# KiCad board nevb_mtr1_c_1.kicad_pcb
title: Motor Controller Board NEVB-MTR1-C-1; date: 2025-04-25; rev: 01; note: Contact: https://www.nexperia.com/support; note: Designed for: Public Release; note: Orderable: NEVB-MTR1-KIT1
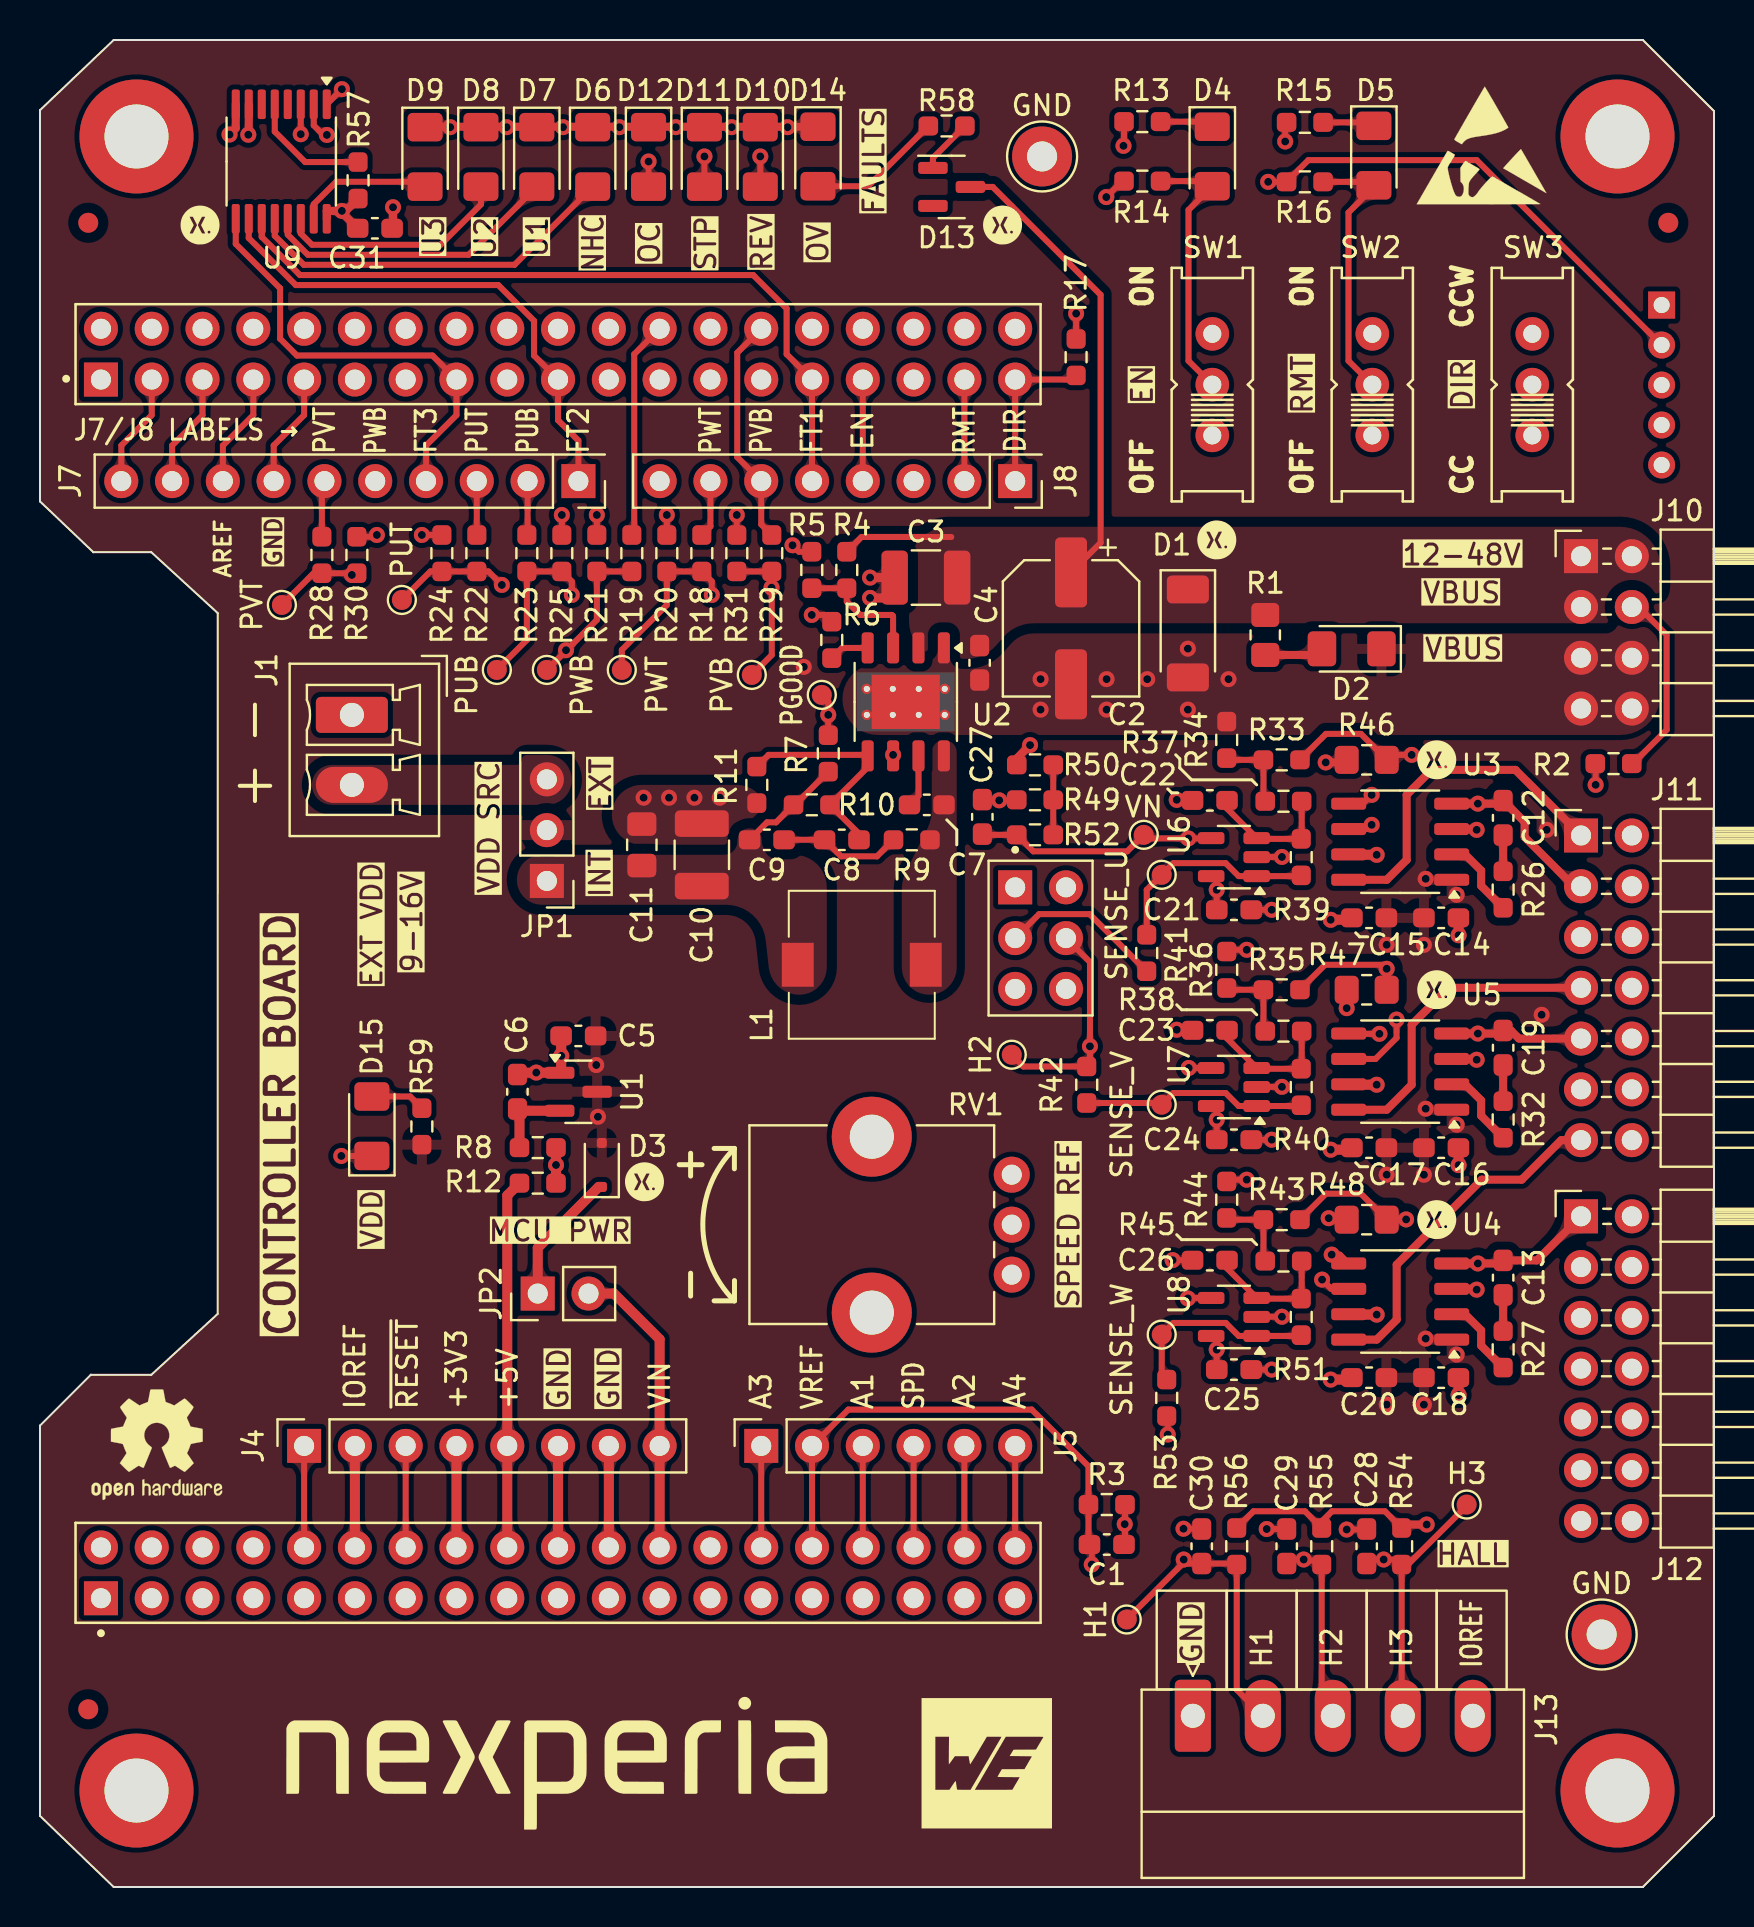
[diagram p0: board, top side]
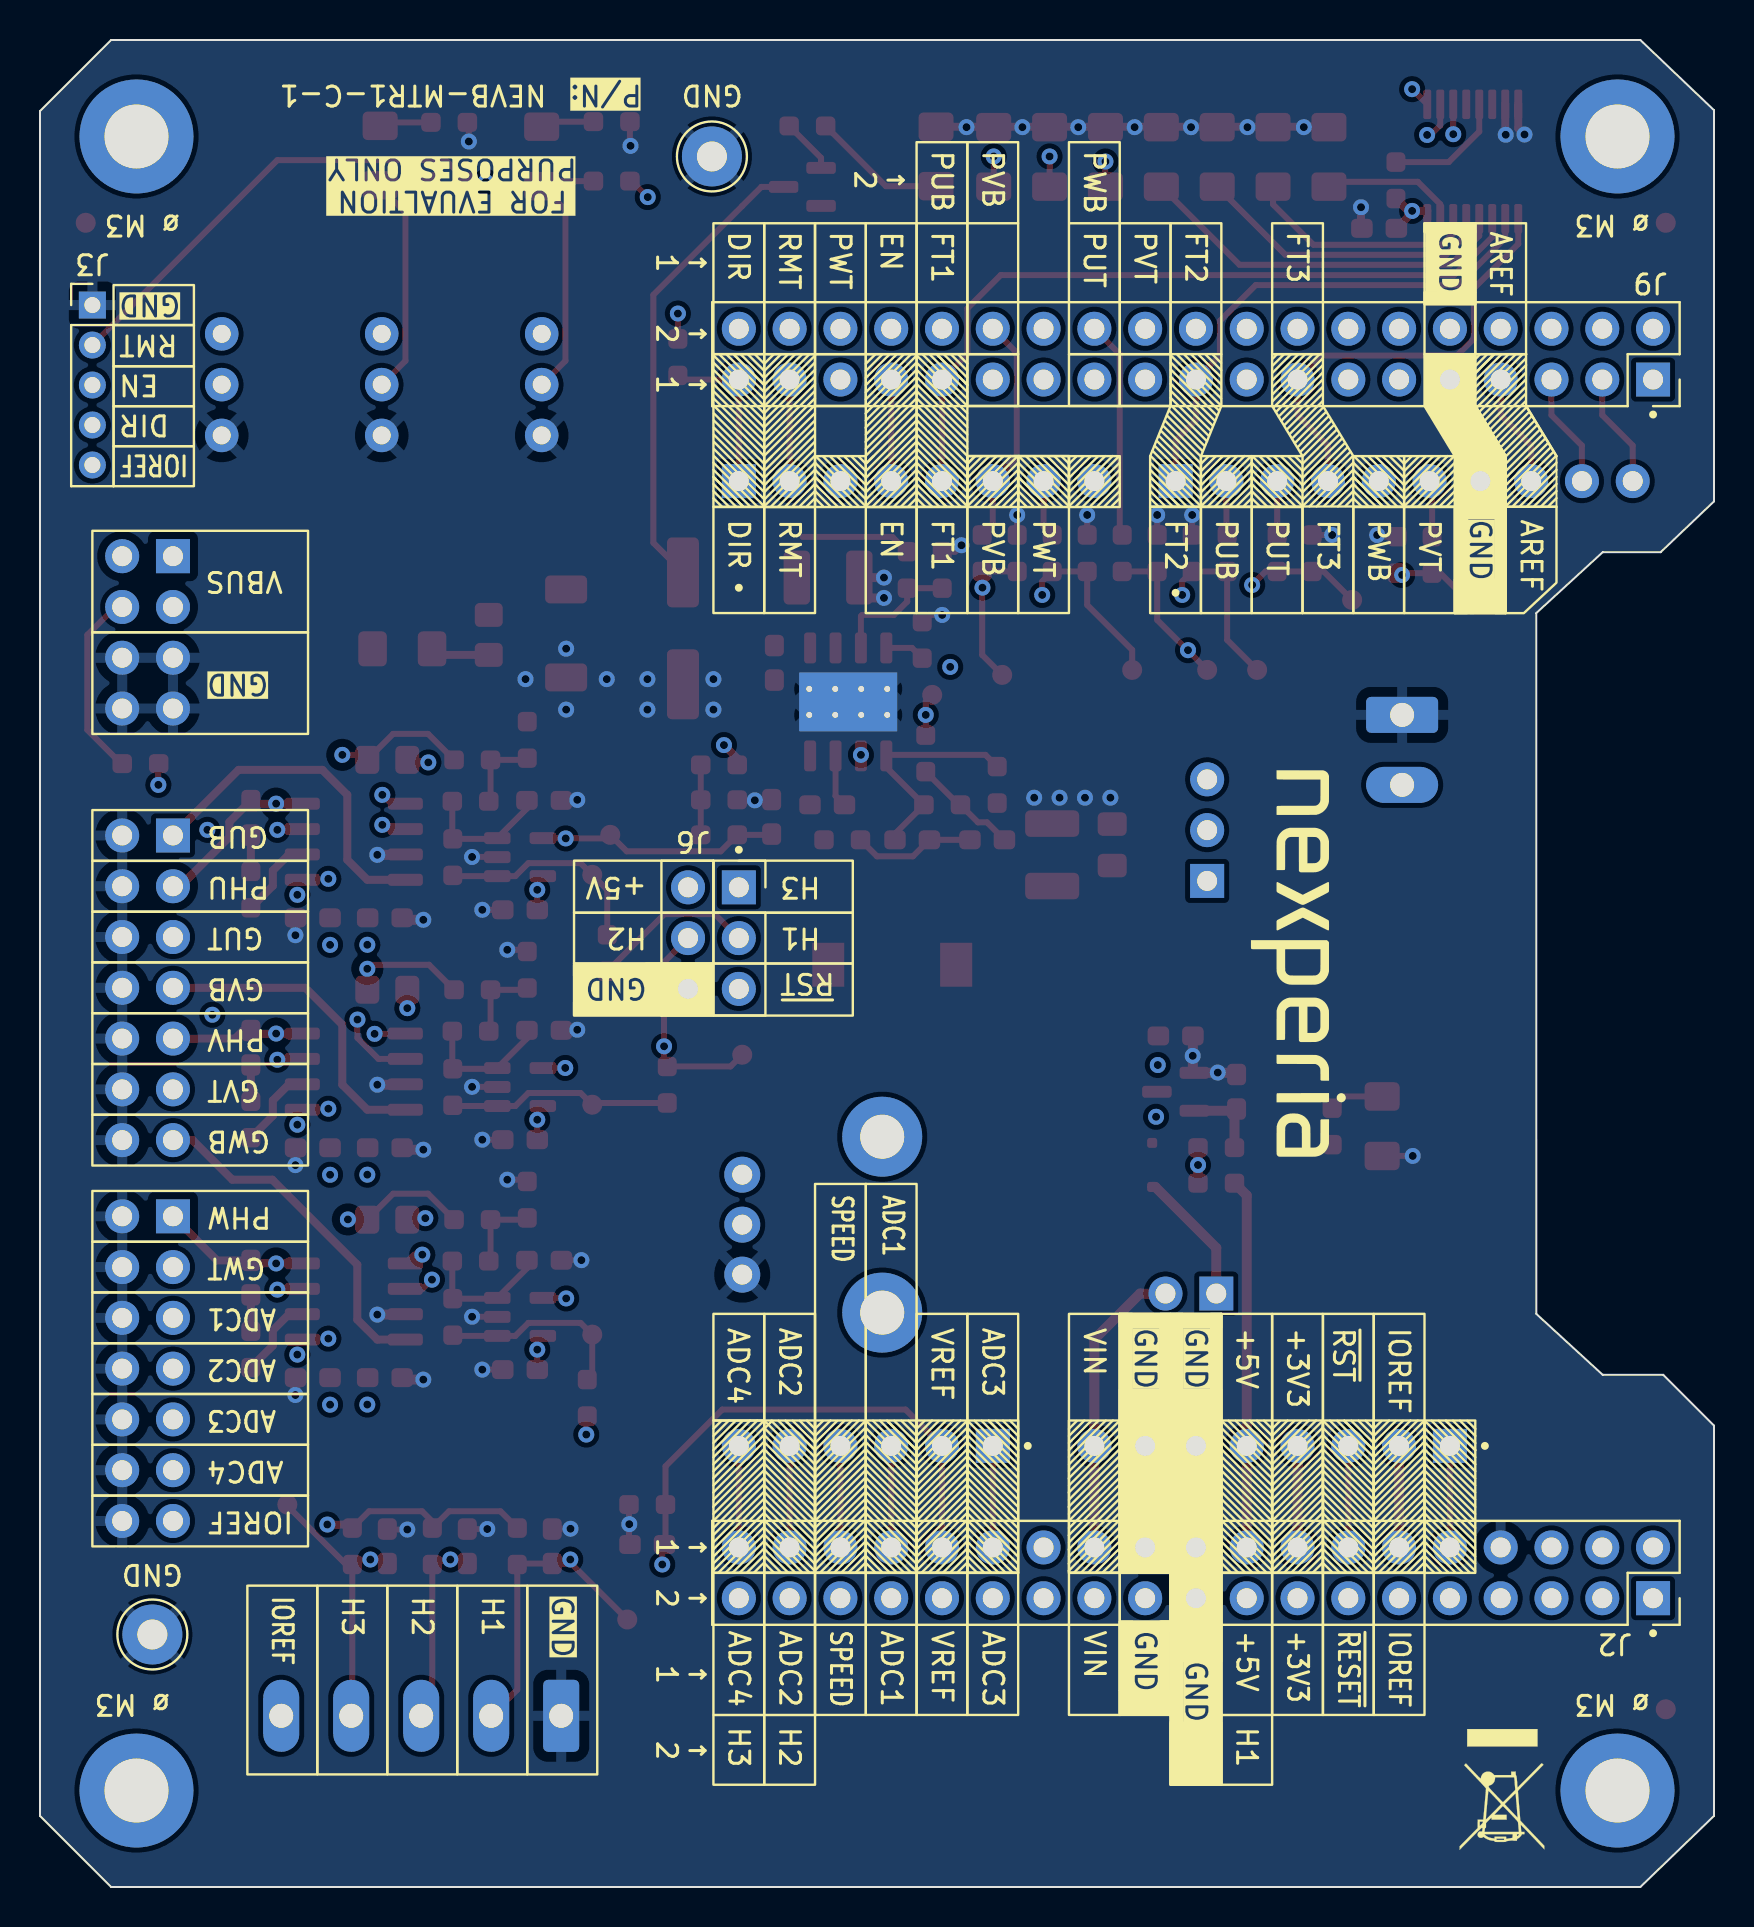
[diagram p1: board, bottom side, seen from below]

Outline 83.72 x 92.39 mm; copper layers: Top, In1.Cu, In2.Cu, Bottom (plane). Coordinates in mm from the lower left corner of the outline.
Outline path: 0,88.88 0,69.31 2.67,66.77 5.56,66.77 8.89,63.72 8.89,28.67 5.57,25.62 2.54,25.62 0,23.08 0,3.56 3.68,0 80.16,0 83.72,3.56 83.72,88.84 80.16,92.39 3.68,92.39 0,88.88
Stack: Top 0.035mm / dielectric 0.11mm FR4 er 4.29 / In1.Cu 0.035mm / dielectric 1.2mm FR4 er 4.29 / In2.Cu 0.035mm / dielectric 0.11mm FR4 er 4.29 / Bottom 0.035mm

## Placement (name value [footprint] x y rotation side)
C1  22p-10V  [C_0603_1608Metric_Pad1.08x0.95mm_HandSolder]  53.35 17.13 0 top
C2  10u-100V  [CP_Elec_6.3x9.9]  51.56 62.96 270 top
C3  2.2u-100V  [C_1210_3225Metric_Pad1.33x2.70mm_HandSolder]  44.3 65.5 180 top
C4  0.1u-100V  [C_0603_1608Metric_Pad1.08x0.95mm_HandSolder]  46.99 61.24 270 top
C5  1u-25V  [C_0603_1608Metric_Pad1.08x0.95mm_HandSolder]  26.92 42.57 180 top  (not fitted)
C6  1u-10V  [C_0603_1608Metric_Pad1.08x0.95mm_HandSolder]  23.88 39.78 90 top  (not fitted)
C7  2.2n-25V  [C_0603_1608Metric_Pad1.08x0.95mm_HandSolder]  44.35 54.13 0 top
C8  47p  [C_0603_1608Metric_Pad1.08x0.95mm_HandSolder]  40.1 52.38 180 top
C9  3.3n  [C_0603_1608Metric_Pad1.08x0.95mm_HandSolder]  36.35 52.38 180 top
C10  47u-16V  [C_1210_3225Metric_Pad1.33x2.70mm_HandSolder]  33.1 51.63 270 top
C11  1u-16V  [C_0805_2012Metric_Pad1.18x1.45mm_HandSolder]  30.1 52.13 90 top
C12  220n-25V  [C_0603_1608Metric_Pad1.08x0.95mm_HandSolder]  73.17 53.48 90 top
C13  220n-25V  [C_0603_1608Metric_Pad1.08x0.95mm_HandSolder]  73.17 30.48 90 top
C14  0.1u-25V  [C_0603_1608Metric_Pad1.08x0.95mm_HandSolder]  70.07 48.48 0 top
C15  1u-25V  [C_0603_1608Metric_Pad1.08x0.95mm_HandSolder]  66.47 48.48 180 top
C16  0.1u-25V  [C_0603_1608Metric_Pad1.08x0.95mm_HandSolder]  70.07 36.98 0 top
C17  1u-25V  [C_0603_1608Metric_Pad1.08x0.95mm_HandSolder]  66.47 36.98 180 top
C18  0.1u-25V  [C_0603_1608Metric_Pad1.08x0.95mm_HandSolder]  70.07 25.48 0 top
C19  220n-25V  [C_0603_1608Metric_Pad1.08x0.95mm_HandSolder]  73.17 41.98 90 top
C20  1u-25V  [C_0603_1608Metric_Pad1.08x0.95mm_HandSolder]  66.47 25.48 180 top
C21  0.1u-16V  [C_0603_1608Metric_Pad1.08x0.95mm_HandSolder]  59.71 48.88 0 top
C22  0.1u-16V  [C_0603_1608Metric_Pad1.08x0.95mm_HandSolder]  58.5 54.35 180 top
C23  0.1u-16V  [C_0603_1608Metric_Pad1.08x0.95mm_HandSolder]  58.5 42.85 180 top
C24  0.1u-16V  [C_0603_1608Metric_Pad1.08x0.95mm_HandSolder]  59.71 37.38 0 top
C25  0.1u-16V  [C_0603_1608Metric_Pad1.08x0.95mm_HandSolder]  59.71 25.88 0 top
C26  0.1u-16V  [C_0603_1608Metric_Pad1.08x0.95mm_HandSolder]  58.5 31.35 180 top
C27  47n  [C_0603_1608Metric_Pad1.08x0.95mm_HandSolder]  47.13 53.53 90 top
C28  10n  [C_0603_1608Metric_Pad1.08x0.95mm_HandSolder]  66.35 17.04 90 top
C29  10n  [C_0603_1608Metric_Pad1.08x0.95mm_HandSolder]  62.35 17.04 90 top
C30  10n  [C_0603_1608Metric_Pad1.08x0.95mm_HandSolder]  58.1 17.04 90 top
C31  0.1u-25V  [C_0603_1608Metric_Pad1.08x0.95mm_HandSolder]  16.75 82.97 0 top
D1  PTVS60VP1UTP  [D_SOD-128]  57.4 62.71 270 top
D2  VIN  [LED_1206_3216Metric_Pad1.42x1.75mm_HandSolder]  65.6 61.94 180 top
D3  PMEG3010CEJ  [D_SOD-323F]  28.1 36.12 90 top
D4  EN  [LED_1206_3216Metric_Pad1.42x1.75mm_HandSolder]  58.63 86.57 270 top
D5  RMT  [LED_1206_3216Metric_Pad1.42x1.75mm_HandSolder]  66.71 86.61 270 top
D6  NHC  [LED_1206_3216Metric_Pad1.42x1.75mm_HandSolder]  27.64 86.54 270 top
D7  U1  [LED_1206_3216Metric_Pad1.42x1.75mm_HandSolder]  24.85 86.54 270 top
D8  U2  [LED_1206_3216Metric_Pad1.42x1.75mm_HandSolder]  22.05 86.54 270 top
D9  U3  [LED_1206_3216Metric_Pad1.42x1.75mm_HandSolder]  19.26 86.54 270 top
D10  REV  [LED_1206_3216Metric_Pad1.42x1.75mm_HandSolder]  36.02 86.54 270 top
D11  STP  [LED_1206_3216Metric_Pad1.42x1.75mm_HandSolder]  33.23 86.54 270 top
D12  OC  [LED_1206_3216Metric_Pad1.42x1.75mm_HandSolder]  30.43 86.54 270 top
D13  BZX84-C56  [D_SOT-23]  45.59 85.04 0 top
D14  OV  [LED_1206_3216Metric_Pad1.42x1.75mm_HandSolder]  38.91 86.57 270 top
D15  VDD  [LED_1206_3216Metric_Pad1.42x1.75mm_HandSolder]  16.6 38.06 90 top
FID1  Fiducial  [Fiducial_1mm_Mask2mm]  81.43 83.25 0 top
FID2  Fiducial  [Fiducial_1mm_Mask2mm]  2.41 83.25 0 top
FID3  Fiducial  [Fiducial_1mm_Mask2mm]  2.41 8.89 0 top
H1  MountingHole  [MountingHole_3.2mm_M3_ISO7380_Pad]  78.89 87.57 0 top
H2  MountingHole  [MountingHole_3.2mm_M3_ISO7380_Pad]  78.89 4.83 0 top
H3  MountingHole  [MountingHole_3.2mm_M3_ISO7380_Pad]  4.83 87.57 0 top
H4  MountingHole  [MountingHole_3.2mm_M3_ISO7380_Pad]  4.83 4.83 0 top
J1  VDD  [PhoenixContact_MCV_1,5_2-G-3.5_1x02_P3.50mm_Vertical]  15.6 58.63 270 top
J2  Conn_02x19  [PinSocket_2x19_P2.54mm_Vertical]  3.05 14.45 270 bottom
J3  Inputs  [PinHeader_1x05_P2.00mm_Vertical]  81.1 79.13 180 bottom  (not fitted)
J4  Power  [PinSocket_1x08_P2.54mm_Vertical]  13.21 22.07 90 top
J5  AO  [PinSocket_1x06_P2.54mm_Vertical]  36.07 22.07 90 top
J6  ICSP  [PinSocket_2x03_P2.54mm_Vertical]  48.77 50.01 180 bottom
J7  IOH  [PinSocket_1x10_P2.54mm_Vertical]  26.92 70.33 270 top
J8  IOL  [PinSocket_1x08_P2.54mm_Vertical]  48.77 70.33 270 top
J9  Conn_02x19  [PinSocket_2x19_P2.54mm_Vertical]  3.05 75.41 270 bottom
J10  VIN  [PinHeader_2x04_P2.54mm_Horizontal]  77.07 66.57 0 top
J11  Signals1  [PinHeader_2x07_P2.54mm_Horizontal]  77.07 52.6 0 top
J12  Signals2  [PinHeader_2x07_P2.54mm_Horizontal]  77.07 33.55 0 top
J13  HALL  [PhoenixContact_MC_1,5_5-G-3.5_1x05_P3.50mm_Horizontal]  57.65 8.56 0 top
JP1  VDD  [PinHeader_1x03_P2.54mm_Vertical]  25.35 50.33 180 top
JP2  PWR  [PinHeader_1x02_P2.54mm_Vertical]  24.89 29.69 90 top
L1  68u  [L_WE_PD_7345P]  41.1 46.13 90 top
R1  100K  [R_0805_2012Metric_Pad1.20x1.40mm_HandSolder]  61.27 62.63 270 top
R2  100K  [R_0603_1608Metric_Pad0.98x0.95mm_HandSolder]  78.69 56.19 0 top
R3  6.2K  [R_0603_1608Metric_Pad0.98x0.95mm_HandSolder]  53.35 19.13 180 top
R4  100K  [R_0603_1608Metric_Pad0.98x0.95mm_HandSolder]  40.35 65.88 90 top
R5  15K  [R_0603_1608Metric_Pad0.98x0.95mm_HandSolder]  38.6 65.88 270 top
R6  100K  [R_0603_1608Metric_Pad0.98x0.95mm_HandSolder]  39.6 62.38 270 top
R7  100K  [R_0603_1608Metric_Pad0.98x0.95mm_HandSolder]  39.42 56.71 270 top
R8  0  [R_0603_1608Metric_Pad0.98x0.95mm_HandSolder]  24.89 36.99 180 top  (not fitted)
R9  453K  [R_0603_1608Metric_Pad0.98x0.95mm_HandSolder]  43.6 52.38 0 top
R10  453K  [R_0603_1608Metric_Pad0.98x0.95mm_HandSolder]  38.6 54.13 180 top
R11  49.9K  [R_0603_1608Metric_Pad0.98x0.95mm_HandSolder]  35.85 55.13 90 top
R12  0  [R_0603_1608Metric_Pad0.98x0.95mm_HandSolder]  24.89 35.21 0 top
R13  1K  [R_0603_1608Metric_Pad0.98x0.95mm_HandSolder]  55.13 88.31 180 top
R14  10K  [R_0603_1608Metric_Pad0.98x0.95mm_HandSolder]  55.13 85.33 0 top
R15  10K  [R_0603_1608Metric_Pad0.98x0.95mm_HandSolder]  63.25 88.27 180 top
R16  10K  [R_0603_1608Metric_Pad0.98x0.95mm_HandSolder]  63.25 85.3 0 top
R17  10K  [R_0603_1608Metric_Pad0.98x0.95mm_HandSolder]  51.82 76.53 90 top
R18  1K  [R_0603_1608Metric_Pad0.98x0.95mm_HandSolder]  33.1 66.72 270 top
R19  1K  [R_0603_1608Metric_Pad0.98x0.95mm_HandSolder]  29.6 66.72 270 top
R20  10K  [R_0603_1608Metric_Pad0.98x0.95mm_HandSolder]  31.35 66.72 270 top
R21  10K  [R_0603_1608Metric_Pad0.98x0.95mm_HandSolder]  27.85 66.72 90 top
R22  1K  [R_0603_1608Metric_Pad0.98x0.95mm_HandSolder]  21.85 66.72 270 top
R23  1K  [R_0603_1608Metric_Pad0.98x0.95mm_HandSolder]  24.35 66.72 270 top
R24  10K  [R_0603_1608Metric_Pad0.98x0.95mm_HandSolder]  20.1 66.72 270 top
R25  10K  [R_0603_1608Metric_Pad0.98x0.95mm_HandSolder]  26.1 66.72 90 top
R26  0  [R_0603_1608Metric_Pad0.98x0.95mm_HandSolder]  73.17 49.89 90 top
R27  0  [R_0603_1608Metric_Pad0.98x0.95mm_HandSolder]  73.17 26.89 90 top
R28  1K  [R_0603_1608Metric_Pad0.98x0.95mm_HandSolder]  14.1 66.63 270 top
R29  1K  [R_0603_1608Metric_Pad0.98x0.95mm_HandSolder]  36.6 66.72 270 top
R30  10K  [R_0603_1608Metric_Pad0.98x0.95mm_HandSolder]  15.85 66.63 270 top
R31  10K  [R_0603_1608Metric_Pad0.98x0.95mm_HandSolder]  34.85 66.72 90 top
R32  0  [R_0603_1608Metric_Pad0.98x0.95mm_HandSolder]  73.17 38.39 90 top
R33  110K  [R_0603_1608Metric_Pad0.98x0.95mm_HandSolder]  62.1 56.38 0 top
R34  4.99K  [R_0603_1608Metric_Pad0.98x0.95mm_HandSolder]  59.35 57.38 270 top
R35  110K  [R_0603_1608Metric_Pad0.98x0.95mm_HandSolder]  62.1 44.88 0 top
R36  4.99K  [R_0603_1608Metric_Pad0.98x0.95mm_HandSolder]  59.35 45.88 270 top
R37  0  [R_0603_1608Metric_Pad0.98x0.95mm_HandSolder]  62.18 54.31 180 top
R38  0  [R_0603_1608Metric_Pad0.98x0.95mm_HandSolder]  62.18 42.81 180 top
R39  TBD  [R_0603_1608Metric_Pad0.98x0.95mm_HandSolder]  63.07 51.52 90 top  (not fitted)
R40  TBD  [R_0603_1608Metric_Pad0.98x0.95mm_HandSolder]  63.07 40.02 90 top  (not fitted)
R41  0  [R_0603_1608Metric_Pad0.98x0.95mm_HandSolder]  55.35 46.72 90 top  (not fitted)
R42  0  [R_0603_1608Metric_Pad0.98x0.95mm_HandSolder]  52.35 40.13 270 top  (not fitted)
R43  110K  [R_0603_1608Metric_Pad0.98x0.95mm_HandSolder]  62.1 33.38 0 top
R44  4.99K  [R_0603_1608Metric_Pad0.98x0.95mm_HandSolder]  59.35 34.38 270 top
R45  0  [R_0603_1608Metric_Pad0.98x0.95mm_HandSolder]  62.18 31.31 180 top
R46  1K  [R_0805_2012Metric_Pad1.20x1.40mm_HandSolder]  66.35 56.38 0 top
R47  1K  [R_0805_2012Metric_Pad1.20x1.40mm_HandSolder]  66.35 44.88 0 top
R48  1K  [R_0805_2012Metric_Pad1.20x1.40mm_HandSolder]  66.35 33.38 0 top
R49  110K  [R_0603_1608Metric_Pad0.98x0.95mm_HandSolder]  49.76 56.13 180 top
R50  4.99K  [R_0603_1608Metric_Pad0.98x0.95mm_HandSolder]  49.76 54.38 0 top
R51  TBD  [R_0603_1608Metric_Pad0.98x0.95mm_HandSolder]  63.07 28.52 90 top  (not fitted)
R52  0  [R_0603_1608Metric_Pad0.98x0.95mm_HandSolder]  49.76 52.63 0 top
R53  0  [R_0603_1608Metric_Pad0.98x0.95mm_HandSolder]  56.35 24.47 90 top  (not fitted)
R54  10K  [R_0603_1608Metric_Pad0.98x0.95mm_HandSolder]  68.1 17.04 90 top
R55  10K  [R_0603_1608Metric_Pad0.98x0.95mm_HandSolder]  64.1 17.04 90 top
R56  10K  [R_0603_1608Metric_Pad0.98x0.95mm_HandSolder]  59.85 17.04 90 top
R57  750  [R_0603_1608Metric_Pad0.98x0.95mm_HandSolder]  15.91 85.37 90 top
R58  220  [R_0603_1608Metric_Pad0.98x0.95mm_HandSolder]  45.34 88.09 180 top
R59  27K  [R_0603_1608Metric_Pad0.98x0.95mm_HandSolder]  19.1 38.04 90 top
REF**  MCU_Module  [MCU_Module_Labels]  12.56 46.2 90 top
RV1  10K  [Potentiometer_Bourns_PTV09A-1_Single_Vertical]  48.6 35.63 180 top
SW1  EN  [EG1218]  58.63 75.15 90 top
SW2  RMT  [EG1218]  66.63 75.15 90 top
SW3  DIR  [EG1218]  74.63 75.15 90 top
SYM1  Nexperia_X_Stamp_Logo  [Nexperia_X_Stamp_Logo_2x2mm]  48.13 83.13 0 top
SYM2  Nexperia_X_Stamp_Logo  [Nexperia_X_Stamp_Logo_2x2mm]  30.23 35.27 0 top
SYM3  Nexperia_X_Stamp_Logo  [Nexperia_X_Stamp_Logo_2x2mm]  69.85 44.88 0 top
SYM4  Nexperia_X_Stamp_Logo  [Nexperia_X_Stamp_Logo_2x2mm]  69.85 56.38 0 top
SYM5  Nexperia_X_Stamp_Logo  [Nexperia_X_Stamp_Logo_2x2mm]  69.85 33.38 0 top
SYM6  Nexperia_X_Stamp_Logo  [Nexperia_X_Stamp_Logo_2x2mm]  8 83.13 0 top
SYM7  Nexperia_X_Stamp_Logo  [Nexperia_X_Stamp_Logo_2x2mm]  58.85 67.38 0 top
SYM8  WEEE  [WEEE-Logo_4.2x6mm_SilkScreen]  10.6 4.88 0 bottom
SYM9  Nexperia  [Nexperia_Logo_20x5mm]  20.83 46.2 270 bottom
SYM10  Nexperia  [Nexperia_Logo_28x7mm]  25.85 6.13 0 top
SYM11  Logo_Open_Hardware_Small  [OSHW-Logo2_7.3x6mm_SilkScreen]  5.84 22.13 0 top
SYM12  Wurth Elektronik  [WE_Logo_7x7mm]  47.35 6.19 0 top
SYM13  -  [ESD-Logo_6.6x6mm_SilkScreen]  72.1 87.13 0 top
TP1  PGOOD  [TestPoint_Pad_D1.0mm]  39.1 59.63 0 top
TP2  PWT  [TestPoint_Pad_D1.0mm]  29.1 60.88 0 top
TP3  PWB  [TestPoint_Pad_D1.0mm]  25.35 60.88 0 top
TP4  PUT  [TestPoint_Pad_D1.0mm]  18.1 64.38 0 top
TP5  PUB  [TestPoint_Pad_D1.0mm]  22.85 60.88 90 top
TP6  PVT  [TestPoint_Pad_D1.0mm]  12.1 64.13 0 top
TP7  PVB  [TestPoint_Pad_D1.0mm]  35.6 60.63 0 top
TP8  GND  [TestPoint_THTPad_D3.0mm_Drill1.5mm]  78.1 12.63 180 top
TP9  GND  [TestPoint_THTPad_D3.0mm_Drill1.5mm]  50.11 86.57 180 top
TP10  SENSE_U  [TestPoint_Pad_D1.0mm]  56.1 50.63 270 top
TP11  SENSE_V  [TestPoint_Pad_D1.0mm]  56.1 39.13 270 top
TP12  H1  [TestPoint_Pad_D1.0mm]  54.35 13.38 270 top
TP13  H2  [TestPoint_Pad_D1.0mm]  48.6 41.63 270 top
TP14  VN  [TestPoint_Pad_D1.0mm]  55.2 52.63 0 top
TP15  SENSE_W  [TestPoint_Pad_D1.0mm]  56.1 27.63 270 top
TP16  H3  [TestPoint_Pad_D1.0mm]  71.35 19.13 180 top
U1  MCP1754S  [SOT-23]  26.92 39.78 0 top  (not fitted)
U2  LM5164DDA  [HSOP-8-1EP_3.9x4.9mm_P1.27mm_EP2.41x3.1mm_ThermalVias]  43.3 59.28 270 top
U3  NGD4300D  [SO-8_3.9x4.9mm_P1.27mm]  68.02 52.29 180 top
U4  NGD4300D  [SO-8_3.9x4.9mm_P1.27mm]  68.02 29.29 180 top
U5  NGD4300D  [SO-8_3.9x4.9mm_P1.27mm]  68.02 40.79 180 top
U6  MCP6561  [SOT-23-5]  59.71 51.52 180 top
U7  MCP6561  [SOT-23-5]  59.71 40.02 180 top
U8  MCP6561  [SOT-23-5]  59.71 28.52 180 top
U9  CBT3251  [TSSOP-16_4.4x5mm_P0.65mm]  12.07 86.31 270 top

## Library data of the parts
C1 = -: Datasheet: https://www.we-online.com/components/products/datasheet/885012006004.pdf; Manufacturer: WURTH ELEKTRONIK; Mfg Part No: 885012006004; Farnell Part No: 2533823; Mouser Part No: 710-885012006004; ki_fp_filters: C_*
C2 = -: Datasheet: https://www.we-online.com/components/products/datasheet/865060845002.pdf; Manufacturer: WURTH ELEKTRONIK; Mfg Part No: 865060845002; Farnell Part No: 4061463; Mouser Part No: 710-865060845002; ki_fp_filters: CP_*
C3 = -: Datasheet: https://www.we-online.com/components/products/datasheet/885012209071.pdf; Manufacturer: WURTH ELEKTRONIK; Mfg Part No: 885012209071; Farnell Part No: 4061686; Mouser Part No: 710-885012209071; ki_fp_filters: C_*
C4 = -: Datasheet: https://www.we-online.com/components/products/datasheet/885012206120.pdf; Manufacturer: WURTH ELEKTRONIK; Mfg Part No: 885012206120; Farnell Part No: 4061680; Mouser Part No: 710-885012206120; ki_fp_filters: C_*
C5 C15 C17 C20 = -: Datasheet: https://www.we-online.com/components/products/datasheet/885012206076.pdf; Manufacturer: WURTH ELEKTRONIK; Mfg Part No: 885012206076; Farnell Part No: 4261502; Mouser Part No: 710-885012206076; ki_fp_filters: C_*
C6 = -: Datasheet: https://www.we-online.com/components/products/datasheet/885012206026.pdf; Manufacturer: WURTH ELEKTRONIK; Mfg Part No: 885012206026; Farnell Part No: 2534018; Mouser Part No: 710-885012206026; ki_fp_filters: C_*
C7 = -: Datasheet: https://www.we-online.com/components/products/datasheet/885012206061.pdf; Manufacturer: WURTH ELEKTRONIK; Mfg Part No: 885012206061; Farnell Part No: 2534028; Mouser Part No: 710-885012206061; ki_fp_filters: C_*
C8 = -: Datasheet: https://www.we-online.com/components/products/datasheet/885012006036.pdf; Manufacturer: WURTH ELEKTRONIK; Mfg Part No: 885012006036; Farnell Part No: 2533837; Mouser Part No: 710-885012006036; ki_fp_filters: C_*
C9 = -: Datasheet: https://www.we-online.com/components/products/datasheet/885012206062.pdf; Manufacturer: WURTH ELEKTRONIK; Mfg Part No: 885012206062; Farnell Part No: 2534029; Mouser Part No: 710-885012206062; ki_fp_filters: C_*
C10 = -: Datasheet: https://www.we-online.com/components/products/datasheet/885012109011.pdf; Manufacturer: WURTH ELEKTRONIK; Mfg Part No: 885012109011; Farnell Part No: 4261498; Mouser Part No: 710-885012109011; ki_fp_filters: C_*
C11 = -: Datasheet: https://www.we-online.com/components/products/datasheet/885012207051.pdf; Manufacturer: WURTH ELEKTRONIK; Mfg Part No: 885012207051; Farnell Part No: 2534058; Mouser Part No: 710-885012207051; ki_fp_filters: C_*
C12 C13 C19 = -: Datasheet: https://www.we-online.com/components/products/datasheet/885012206073.pdf; Manufacturer: WURTH ELEKTRONIK; Mfg Part No: 885012206073; Farnell Part No: 2495174; Mouser Part No: 710-885012206073; ki_fp_filters: C_*
C14 C16 C18 C31 = -: Datasheet: https://www.we-online.com/components/products/datasheet/885012206071.pdf; Manufacturer: WURTH ELEKTRONIK; Mfg Part No: 885012206071; Farnell Part No: 2495173; Mouser Part No: 710-885012206071; ki_fp_filters: C_*
C21-C26 = -: Datasheet: https://www.we-online.com/components/products/datasheet/885012206046.pdf; Manufacturer: WURTH ELEKTRONIK; Mfg Part No: 885012206046; Farnell Part No: 2495170; Mouser Part No: 710-885012206046; ki_fp_filters: C_*
C27 = -: Datasheet: https://www.we-online.com/components/products/datasheet/885012206044.pdf; Manufacturer: WURTH ELEKTRONIK; Mfg Part No: 885012206044; Farnell Part No: 2534022; Mouser Part No: 710-885012206044; ki_fp_filters: C_*
C28-C30 = -: Datasheet: https://www.we-online.com/components/products/datasheet/885012206014.pdf; Manufacturer: WURTH ELEKTRONIK; Mfg Part No: 885012206014; Farnell Part No: 2534015; Mouser Part No: 710-885012206014; ki_fp_filters: C_*
D1 = -: Datasheet: https://assets.nexperia.com/documents/data-sheet/PTVSXP1UTP_SER.pdf; Manufacturer: NEXPERIA; Mfg Part No: PTVS60VP1UTP,115; Farnell Part No: 3940904; Mouser Part No: 771-PTVS60VP1UTP,115; ki_fp_filters: TO-???* *_Diode_* *SingleDiode* D_*
D2 D5 D15 = -: Datasheet: https://www.we-online.com/components/products/datasheet/150120GS75000.pdf; Manufacturer: WURTH ELEKTRONIK; Mfg Part No: 150120GS75000; Farnell Part No: 2322085; Mouser Part No: 710-150120GS75000; ki_fp_filters: LED* LED_SMD:* LED_THT:*
D3 = -: Datasheet: https://assets.nexperia.com/documents/data-sheet/PMEG3010CEJ-Q.pdf; Manufacturer: NEXPERIA; Mfg Part No: PMEG3010CEJ,115; Farnell Part No: 1757769; Mouser Part No: 771-PMEG3010CEJ-T/R; ki_fp_filters: TO-???* *_Diode_* *SingleDiode* D_*
D4 = -: Datasheet: https://www.we-online.com/components/products/datasheet/150120AS75000.pdf; Manufacturer: WURTH ELEKTRONIK; Mfg Part No: 150120AS75000; Farnell Part No: 2322083; Mouser Part No: 710-150120AS75000; ki_fp_filters: LED* LED_SMD:* LED_THT:*
D6-D12 D14 = -: Datasheet: https://www.we-online.com/components/products/datasheet/150120RS75000.pdf; Manufacturer: WURTH ELEKTRONIK; Mfg Part No: 150120RS75000; Farnell Part No: 2322086; Mouser Part No: 710-150120RS75000; ki_fp_filters: LED* LED_SMD:* LED_THT:*
D13 = -: Datasheet: https://assets.nexperia.com/documents/data-sheet/BZX84_SER.pdf; Manufacturer: NEXPERIA; Mfg Part No: BZX84-C56,215; Farnell Part No: 2575189; Mouser Part No: 771-BZX84-C56-T/R; ki_fp_filters: TO-???* *_Diode_* *SingleDiode* D_*
FID1-FID3 = -: ki_fp_filters: Fiducial*
H1-H4 = -: ki_fp_filters: MountingHole*
J1 = -: Datasheet: https://www.we-online.com/components/products/datasheet/691321100002.pdf; Manufacturer: WURTH ELEKTRONIK; Mfg Part No: 691321100002; Farnell Part No: 1841308; Mouser Part No: 710-691321100002; ki_fp_filters: Connector*:*_1x??_*
J2 J9 = -: Datasheet: https://suddendocs.samtec.com/catalog_english/ssq_th.pdf; Manufacturer: SAMTEC; Mfg Part No: SSQ-119-03-T-D; Farnell Part No: 3701046; Mouser Part No: 200-SSQ11903TD; ki_fp_filters: Connector*:*_2x??_*
J3 = -: Description: Generic connector, single row, 01x04, script generated (kicad-library-utils/schlib/autogen/connector/); ki_fp_filters: Connector*:*_1x??_*